# Altium PCB 2-quilter-output.PcbDoc (part 16 of 26)
Units mil, origin at the board's own origin, x right, y up, seen from the top; angles counter-clockwise.
Board outline 4130.55 x 4250 mil, 8 copper layers (L1, Ground L2, L3, Power L4, Ground L5, L6, Ground L7, L8), stack 62.985 mil thick; 591 components, 494 nets, 2245 pads, 1508 vias.
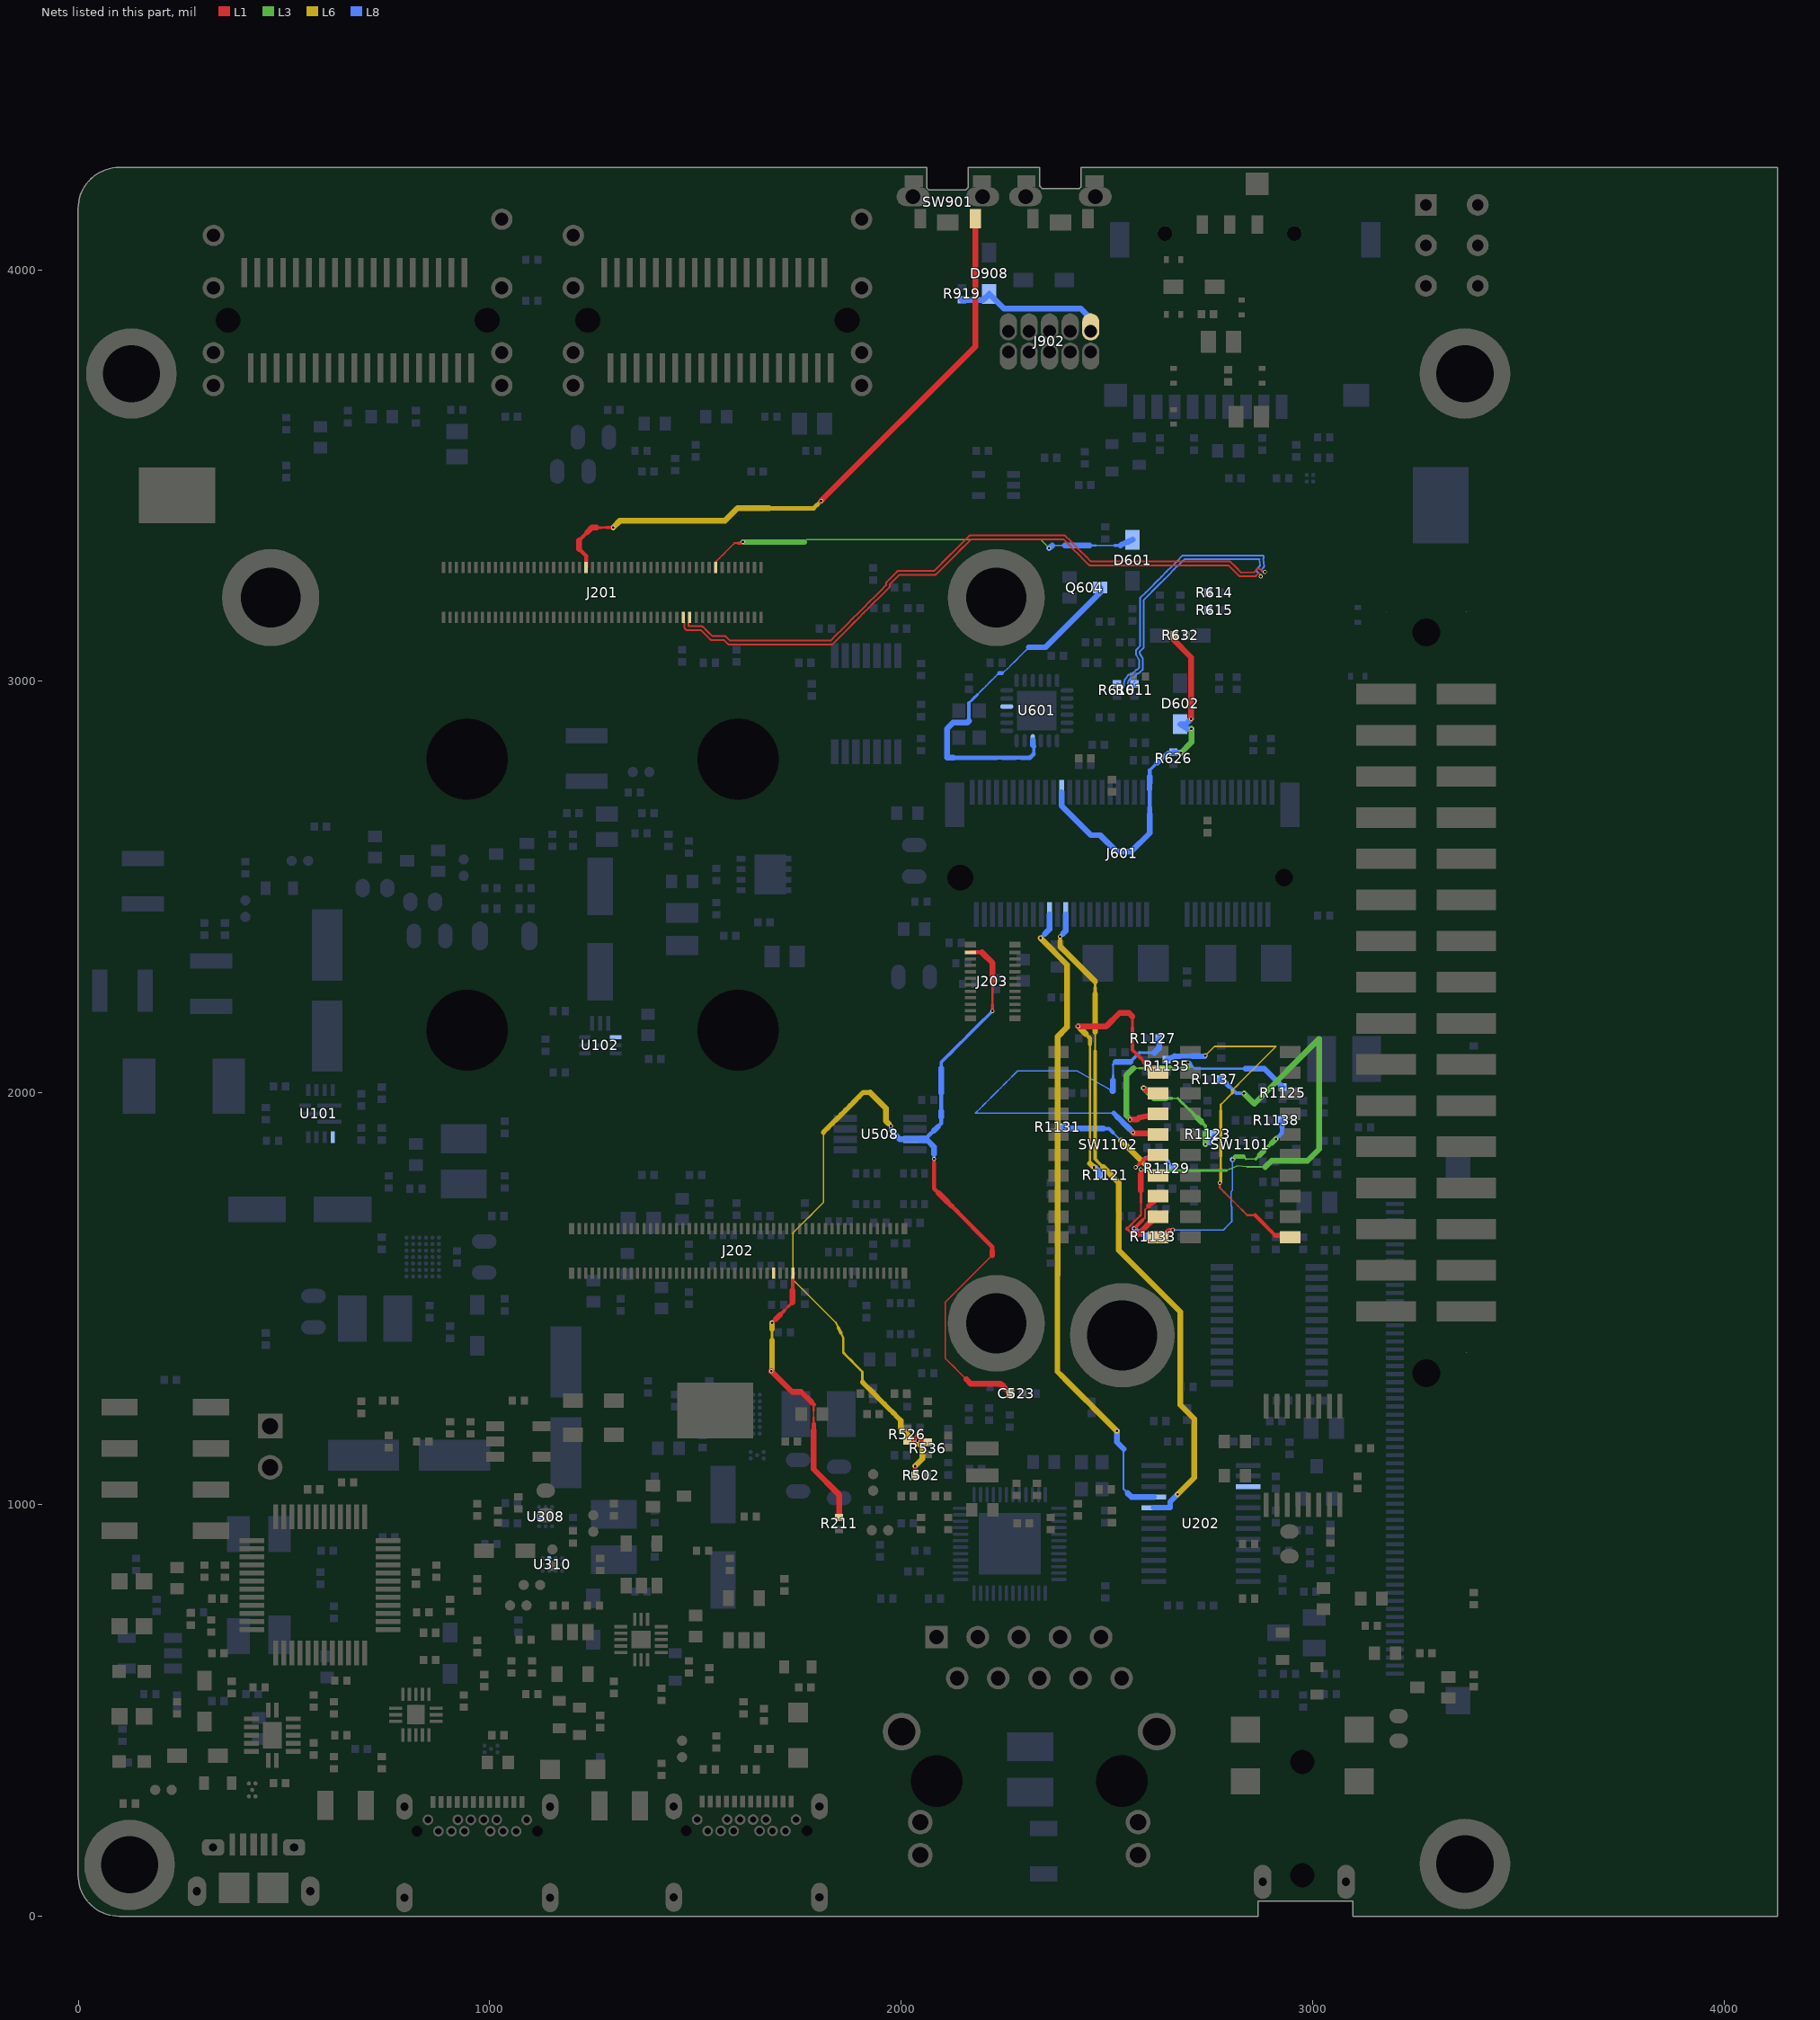
[diagram p22: the nets of this part, all layers, seen from the top]

## Via types
v1: diameter 9.85, hole 5.91, L1 to L8, tented both sides, 1508 vias

## Nets (pads, with @x,y where several pads share a name; then routed paths per layer and width w, separated by ;. In a path a pad name is that pad's centre, name@x,y a point inside that pad or via, vN(x,y) a via of type N, cw(c..) or ccw(c..) an arc to the next point about the centre after c; other vN are vias at no path point) (continued)
NetR1121_1: R1121.1 SW1102.19 | length 697
  L1 w6.9: 2562.47,2117.56 2562.47,2131.11 2562.47,2144.65 ; 2562.47,2158.2 2562.47,2171.75 2562.47,2185.3
  L1 w7.92: 2562.47,2117.56 2562.47,2104.01 2572.52,2093.95 ; 2562.47,2144.65 2562.47,2158.2 ; 2582.58,2083.9 2592.64,2073.84
  L1 w8.94: 2572.52,2093.95 2582.58,2083.9
  L1 w14.05: v1(2430.46,2161.7) 2452.2,2161.7 2498.91,2161.7 2531.06,2193.85 2553.91,2193.85 2562.47,2185.3 ; 2592.64,2073.84 2602.7,2063.78 SW1102.19@2624.63,2048.79
  L6 w5.87: 2459.51,1828.24 2459.51,1843.46 2459.51,1858.68 2459.51,1873.9 2459.51,1889.12 2459.51,1904.34 2459.51,1919.56 2459.51,1934.78 2459.51,1950.01 2459.51,1965.23 2459.51,1980.45 2459.51,1995.67 2459.51,2010.89 2459.51,2026.11 2459.51,2041.33 2459.51,2056.55 2459.51,2071.77 2459.51,2086.99 2459.51,2102.21 2459.51,2117.43
  L6 w9.96: 2449.83,2142.34 2459.51,2132.66 2459.51,2117.43
  L6 w14.05: v1(2430.46,2161.7) 2440.14,2152.02 2449.83,2142.34 ; 2459.51,1828.24 v1(2468.98,1818.76)
  L8 w13.03: v1(2468.98,1818.76) v1@2471.85,1818.76 ; 2477.54,1813.08 R1121.1@2481.45,1800.06
  L8 w14.05: v1@2471.85,1818.76 2477.54,1813.08
NetR1123_1: R1123.1 SW1102.18 | length 306.7
  L1 w8.94: v1(2589.53,2011.68) 2595.98,2005.23
  L1 w14.05: 2595.99,2005.23 2608.53,2005.23 SW1102.18@2624.63,1998.79
  L3 w3.83: 2658.19,1986.72 2672.76,1986.72
  L3 w6.9: 2672.76,1986.72 2682.37,1977.11 2691.99,1967.49 2701.6,1957.88 2711.21,1948.27
  L3 w7.92: 2643.62,1986.72 2658.19,1986.72 ; 2730.44,1929.04 2740.06,1919.42 2740.06,1904.65
  L3 w8.94: 2711.21,1948.27 2720.83,1938.65
  L3 w14.05: v1(2589.53,2011.68) 2614.49,1986.72 2629.06,1986.72 2643.62,1986.72 ; 2720.83,1938.65 2730.44,1929.04 ; v1(2740.06,1875.11) 2740.06,1889.88 2740.06,1904.65
  L8 w5.87: 2750.67,1879.43 2754.26,1887.4 R1123.1@2759.8,1899.67
  L8 w14.05: v1(2740.06,1875.11) 2744.37,1879.43 2750.67,1879.43
NetR1125_1: R1125.1 SW1102.17 | length 605.4
  L1 w14.05: v1(2556.5,1934.83) 2573.6,1934.83 2578.28,1939.51 SW1102.17@2624.63,1948.79
  L3 w3.83: 2564.71,2059.62 2579.5,2059.62 ; 2653.42,2059.62 2668.21,2059.62 2682.99,2059.62
  L3 w4.85: 2579.5,2059.62 2594.28,2059.62
  L3 w7.92: 2697.78,2064.06 v1(2697.78,2073.68)
  L3 w8.94: 2682.99,2059.62 2693.35,2059.62
  L3 w13.03: v1(2556.5,1934.83) v1@2556.5,1936.56
  L3 w14.05: v1@2556.5,1936.56 2547.81,1945.25 2547.81,2042.72 2564.71,2059.62 ; 2594.28,2059.62 2609.07,2059.62 2623.85,2059.62 2638.64,2059.62 2653.42,2059.62 ; 2693.35,2059.62 2697.78,2064.06
  L8 w4.85: 2706.89,2064.58 2713.03,2058.44 2728.5,2058.44 2743.96,2058.44 2759.42,2058.44 2774.88,2058.44 2790.34,2058.44 2805.81,2058.44 2821.27,2058.44 2836.73,2058.44
  L8 w7.92: v1(2697.78,2073.68) v1@2700.74,2070.73
  L8 w8.94: v1@2700.75,2070.73 2706.89,2064.58
  L8 w14.05: 2836.73,2058.44 2852.19,2058.44 2867.66,2058.44 2883.12,2058.44 R1125.1@2927.51,2014.04
NetR1127_1: R1127.1 SW1102.16 | length 1070.1
  L1 w14.05: v1(2563.77,1903.46) 2565.45,1901.78 2599.65,1901.78 SW1102.16@2624.63,1898.79
  L8 w3.5: 2180.88,1950.67 2196.14,1950.67 2211.4,1950.67 2226.66,1950.67 2241.92,1950.67 2257.17,1950.67 2272.43,1950.67 2287.69,1950.67 2302.95,1950.67 2318.2,1950.67 2333.46,1950.67 2348.72,1950.67 2363.98,1950.67 2379.24,1950.67 2394.49,1950.67 2409.75,1950.67 2425.01,1950.67 2440.27,1950.67 2455.52,1950.67 2470.78,1950.67 2486.04,1950.67 2501.3,1950.67 2516.56,1950.67 ; 2180.88,1950.68 2191.15,1960.95 2201.42,1971.22 2211.69,1981.49 2221.97,1991.77 2232.24,2002.04 2242.51,2012.31 2252.78,2022.58 2263.05,2032.85 2273.32,2043.12 2283.59,2053.39 2298.03,2053.39 2312.47,2053.39 2326.91,2053.39 2341.35,2053.39 2355.79,2053.39 2370.23,2053.39 2384.67,2053.39 2399.11,2053.39 2413.55,2053.39 2427.99,2053.39 2441.2,2045.8 2453.25,2038.89 2465.29,2031.97 2477.33,2025.05 2489.37,2018.13 2501.42,2011.21 2513.46,2004.3
  L8 w3.83: 2515.24,2042.91 2515.24,2055.77 2515.24,2068.64
  L8 w5.87: 2515.24,2068.64 2521.89,2075.3
  L8 w6.9: 2515.24,2030.04 2515.24,2042.91 ; 2579.35,2097.32 2591.28,2097.32 2603.22,2097.32 2615.15,2097.32
  L8 w7.92: 2557.33,2075.3 2564.47,2082.45 2571.91,2089.88 2579.35,2097.32
  L8 w12.01: 2516.56,1950.67 2524.96,1942.26
  L8 w14.05: 2513.47,2004.29 2515.24,2004.29 2515.24,2017.17 2515.24,2030.04 ; 2521.89,2075.3 2557.33,2075.3 ; 2524.96,1942.26 2533.37,1933.85 2541.78,1925.45 2550.19,1917.04 v1(2563.77,1903.46) ; 2615.15,2097.32 2627.09,2109.25 R1127.1@2627.09,2132.09
NetR1129_1: R1129.1 SW1102.15 | length 176.8
  L1 w5.87: v1(2570.2,1818.88) 2579.86,1828.54
  L1 w6.9: 2579.86,1828.54 2589.7,1838.38
  L1 w9.96: 2589.7,1838.38 SW1102.15@2601.39,1841.86
  L1 w14.05: SW1102.15@2601.39,1841.86 2613.02,1845.32 SW1102.15@2624.63,1848.79
  L8 w4.85: 2649.24,1833.33 R1129.1@2657.83,1824.73
  L8 w5.87: v1@2570.72,1818.88 2578.4,1826.56 2586.08,1834.24 2593.76,1841.92
  L8 w6.9: R1129.1@2657.83,1824.73 R1129.1@2660.26,1816.66
  L8 w7.92: v1(2570.2,1818.88) v1@2570.72,1818.88
  L8 w8.94: 2593.76,1841.92 2609.39,1841.92 2625.01,1841.92 2640.64,1841.92 2649.24,1833.33
NetR1131_1: R1131.1 SW1102.14 | length 278.6
  L1 w3.5: v1@2596.16,1824.63 SW1102.14@2607.01,1813.78
  L1 w3.83: SW1102.14@2607.01,1813.78 SW1102.14@2615.83,1806.28
  L1 w7.92: v1(2594.09,1824.63) v1@2596.16,1824.63
  L1 w14.05: SW1102.14@2615.83,1806.28 SW1102.14@2624.63,1798.79
  L6 w12.01: 2584.24,1834.47 v1(2594.09,1824.63)
  L6 w14.05: v1(2534.67,1883.71) 2535,1883.71 2544.85,1873.86 2554.7,1864.02 2564.55,1854.17 2574.39,1844.32 2584.24,1834.47
  L8 w3.83: 2515.12,1903.26 2524.89,1893.48 v1(2534.67,1883.71)
  L8 w8.94: 2491.55,1913.03 2505.35,1913.03 2515.12,1903.26
  L8 w14.05: R1131.1@2394.86,1916.26 2403.86,1917.94 2408.78,1913.03 2422.57,1913.03 2436.37,1913.03 2450.16,1913.03 2463.96,1913.03 2477.76,1913.03 2491.55,1913.03
NetR1133_1: R1133.1 SW1102.13 | length 139.8
  L1 w3.83: 2592.8,1696.41 2592.8,1706.15 2592.8,1715.89 2601.74,1724.83
  L1 w4.85: 2586.4,1690.01 2592.8,1696.41
  L1 w7.92: v1(2566.58,1670.2) 2573.29,1676.9 2580,1683.61 2586.4,1690.01
  L1 w13.03: 2601.74,1724.83 2610.68,1733.78
  L1 w14.05: 2610.68,1733.78 2612.14,1733.78 SW1102.13@2624.63,1748.79
  L8 w13.03: v1(2566.58,1670.2) v1@2567.11,1670.2
  L8 w14.05: v1@2567.11,1670.2 2573.03,1664.27 R1133.1@2597.57,1650.65
NetR1135_1: R1135.1 SW1101.11 | length 897.3
  L1 w3.83: 2785.8,1758.24 2796.94,1747.11 2808.08,1735.97 2819.22,1724.83 2830.36,1713.69
  L1 w4.85: v1(2774.66,1781.5) 2774.66,1769.38 2785.8,1758.24 ; 2830.36,1713.69 2841.5,1702.55 2850.94,1702.55 2860.38,1702.55
  L1 w8.94: 2860.38,1702.55 2870.23,1692.7 2880.08,1682.85 2889.93,1673 2899.78,1663.15 2909.62,1653.3
  L1 w12.01: 2909.62,1653.3 2920.63,1653.3
  L1 w14.05: 2920.63,1653.3 SW1101.11@2945.63,1648.79
  L6 w3.5: v1(2739.51,2090.6) 2750.61,2101.7 2761.7,2112.79 2776.69,2112.79 2791.67,2112.79 2806.66,2112.79 2821.64,2112.79 2836.62,2112.79 2851.61,2112.79 2866.59,2112.79 2881.58,2112.79 2896.56,2112.79 2911.55,2112.79 2900.95,2102.18 2890.34,2091.57 2879.74,2080.97 2869.13,2070.36 2858.53,2059.76 2847.93,2049.16 2837.32,2038.55 2826.72,2027.95 2816.11,2017.34 2805.36,2006.59
  L6 w3.83: 2777.03,1971.12 2786.52,1980.61 2796.01,1990.11 2805.36,1999.45
  L6 w5.87: 2777.03,1815.08 2777.03,1830.68 2777.03,1846.28 ; 2777.03,1955.51 2777.03,1971.12
  L6 w6.9: v1@2777.03,1783.87 2777.03,1799.47 ; 2805.36,1999.45 2805.36,2006.59
  L6 w7.92: v1(2774.66,1781.5) v1@2777.03,1783.87 ; 2777.03,1799.47 2777.03,1815.08 ; 2777.03,1846.28 2777.03,1861.89 2777.03,1877.49 2777.03,1893.1 2777.03,1908.7 2777.03,1924.31 2777.03,1939.91 2777.03,1955.51
  L8 w10.99: v1@2737.95,2089.04 v1(2739.51,2090.6)
  L8 w12.01: 2679.27,2089.04 2693.94,2089.04 2708.61,2089.04
  L8 w13.03: 2664.6,2089.04 2679.27,2089.04 ; 2723.28,2089.04 v1@2737.95,2089.04
  L8 w14.05: R1135.1@2645.51,2080.45 2664.6,2089.04 ; 2708.61,2089.04 2723.28,2089.04
NetR1137_1: R1137.1 SW1102.12 | length 1308.1
  L1 w4.85: 2549.57,1669.84 2557.94,1678.2 2566.31,1686.57 2574.67,1694.94 2583.04,1703.31 2583.04,1718.24 2583.04,1733.17
  L1 w5.87: 2549.57,1669.83 2556.42,1662.98 2562.51,1656.89 ; 2583.04,1733.17 2583.04,1748.1 2583.04,1763.03
  L1 w7.92: 2562.51,1656.89 2577.29,1656.89 ; 2583.04,1803.36 v1(2583.04,1813.83)
  L1 w13.03: 2586.08,1665.68 2597.11,1676.71
  L1 w14.05: 2577.29,1656.89 2586.08,1665.68 ; 2583.04,1763.03 2583.04,1777.96 2583.04,1792.89 2583.04,1803.36 ; 2597.11,1676.71 2608.14,1687.74 2619.17,1698.78 SW1102.12@2624.63,1698.79
  L3 w3.5: 2790.97,1811.26 2798.44,1814.4 2805.9,1817.55 2818.41,1822.81 2829.53,1821.51 2840.65,1820.21 2840.97,1819.9 2855.8,1819.9 2870.63,1819.9 2885.46,1819.9
  L3 w5.87: 2600.38,1811.26 2615.15,1811.26 2629.91,1811.26 2644.68,1811.26 2659.45,1811.26 2674.22,1811.26 2688.99,1811.26 2703.76,1811.26 2718.53,1811.26 2733.29,1811.26 2748.06,1811.26 2762.83,1811.26 2777.6,1811.26 2790.97,1811.26
  L3 w6.9: v1(2583.04,1813.83) 2585.61,1811.26 2600.38,1811.26
  L3 w14.05: v1(2833.46,1998.78) 2858.65,1973.59 3016.21,2131.13 3016.22,1862.8 2988.02,1834.6 2900.17,1834.6 2885.46,1819.9
  L8 w7.92: 2823.94,1998.78 v1(2833.46,1998.78)
  L8 w8.94: 2796.64,2016.56 2804.59,2008.61 2814.43,1998.78 2823.94,1998.78
  L8 w12.01: 2788.68,2024.52 2796.64,2016.56
  L8 w14.05: R1137.1@2776.38,2032.48 2780.73,2032.48 2788.68,2024.52
NetR1138_1: R1138.1 SW1102.11 | length 528.7
  L1 w12.01: v1@2657.81,1664.67 v1(2659.96,1666.83)
  L1 w14.05: SW1102.11@2624.63,1648.79 2639.01,1651.65 2652.03,1664.67 v1@2657.81,1664.67
  L3 w3.5: 2838.32,1838.98 2850.23,1838.98 2862.14,1838.98
  L3 w4.85: 2832.44,1844.85 2838.32,1838.98
  L3 w7.92: v1(2805.82,1837.64) 2813.04,1844.85 ; 2862.14,1838.98 2871.93,1848.77 ; 2881.72,1858.56 2891.51,1868.35
  L3 w8.94: 2891.51,1868.35 2901.3,1878.14
  L3 w10.99: 2813.04,1844.85 2822.74,1844.85 2832.44,1844.85
  L3 w13.03: 2871.93,1848.77 2881.72,1858.56
  L3 w14.05: 2901.3,1878.14 2911.09,1887.93 v1(2911.6,1887.93)
  L8 w3.5: v1(2659.96,1666.83) 2675.42,1666.83 2690.89,1666.83 2706.35,1666.83 2721.81,1666.83 2737.27,1666.83 2752.73,1666.83 2768.19,1666.83 2783.65,1666.83 ; 2802.56,1725.17 2802.56,1737.01 2802.56,1748.84 2802.56,1760.68 2805.82,1763.94 2805.82,1778.68 2805.82,1793.42 2805.82,1808.16 2805.82,1822.9 v1(2805.82,1837.64) ; 2802.81,1724.25 2803.71,1723.34 2803.71,1711.19 2803.71,1699.04 2803.71,1686.89
  L8 w3.83: 2783.65,1666.83 2793.68,1676.86 2803.71,1686.89 ; 2802.56,1725.17 2802.81,1724.26
  L8 w7.92: v1(2911.6,1887.93) v1@2911.6,1888.3
  L8 w8.94: v1@2911.6,1888.3 2918.64,1895.35 ; 2925.69,1902.39 2925.69,1917.63
  L8 w9.96: 2918.64,1895.35 2925.69,1902.39
  L8 w13.03: 2925.69,1917.63 R1138.1@2925.68,1932.87
NetTP103_1: U102.7
NetTP105_1: U101.3
NetTP309_1: U308.C3
NetTP310_1: U310.C3
NetTP602_1: U601.4
NRST: D908.C J902.10 R919.2 | length 364.4
  L8 w14.05: R919.2@2147.85,3926.9 2157.83,3926.91 2199.62,3926.91 D908.C@2214.2,3941.47 2249.93,3905.74 2436.83,3905.74 2460.96,3881.61 J902.10@2460.96,3861.16
NVCC_ENET: C523.1 J203.19 R502.2 R526.2 R536.2 U508.3 | length 2870.6
  L1 w3.5: 2158.62,1303.57 2148.4,1313.8 2138.18,1324.02 2127.96,1334.24 2117.74,1344.46 2107.52,1354.68 2107.52,1369.84 2107.52,1385 2107.52,1400.17 2107.52,1415.33 2107.52,1430.49 2107.52,1445.65 2107.52,1460.81 2107.52,1475.98 2107.52,1491.14 2117.89,1501.51 2128.25,1511.87 2138.62,1522.24 2148.99,1532.61 2159.36,1542.98 2169.72,1553.35 2180.09,1563.71 2190.46,1574.08 2200.83,1584.45 2211.19,1594.82 2221.56,1605.18
  L1 w5.87: 2222.08,2214.15 2222.08,2228.67 2222.08,2243.18 2222.08,2257.7
  L1 w6.9: 2222.08,2257.7 2222.08,2272.21
  L1 w7.92: 2034.37,1081.56 v1(2034.37,1092.7) ; 2080.16,1829.6 v1(2080.16,1839.21) ; v1(2222.08,2198.83) 2222.08,2214.15
  L1 w8.94: 2025.16,1157.43 2039.27,1164.19 ; 2080.16,1819.99 2080.16,1829.6
  L1 w9.96: R526.2@2015.16,1154.43 2025.16,1157.43 ; 2080.16,1819.99 2080.16,1806.83 2080.16,1793.66 2080.16,1780.5 2080.16,1767.33 2091,1756.49 ; 2123.52,1723.97 2134.36,1713.13 2145.2,1702.29 2156.04,1691.45 2166.88,1680.6 2177.72,1669.76 2188.57,1658.92 2199.41,1648.08 2210.25,1637.24 2221.09,1626.4 2221.57,1625.92 2221.57,1615.55 ; J203.19@2168.74,2341.14 2182.72,2341.14 2196.69,2341.14
  L1 w12.01: 2112.68,1734.81 2123.52,1723.97
  L1 w13.03: v1(2039.51,1154.71) 2039.27,1154.96 2039.27,1164.19 2047.09,1157.48
  L1 w14.05: R502.2@2033.56,1069.59 2033.56,1075.18 2034.37,1075.99 2034.37,1081.56 ; 2047.09,1157.48 2054.92,1150.77 R536.2@2064.91,1150.76 ; 2091,1756.49 2101.84,1745.65 2112.68,1734.81 ; 2158.62,1303.57 2168.84,1293.35 2241.27,1293.35 C523.1@2265.8,1268.81 ; 2196.69,2341.14 2222.08,2315.75 2222.08,2301.24 2222.08,2286.72 2222.08,2272.21 ; 2221.57,1605.19 2221.57,1615.55
  L6 w3.5: 1811.34,1903.93 1811.34,1888.44 1811.34,1872.95 1811.34,1857.45 1811.34,1841.96 1811.34,1826.47 1811.34,1810.97 1811.34,1795.48 1811.34,1779.99 1811.34,1764.49 1811.34,1749 1811.34,1733.51 1800.75,1722.91 1790.15,1712.31 1779.55,1701.71 1768.96,1691.12 1758.36,1680.52 1747.76,1669.92 1737.17,1659.33 1737.17,1645.14 1737.17,1630.95 1737.17,1616.76 1737.17,1602.57 1737.17,1588.38 1737.17,1574.2 1737.17,1560.01 1737.17,1545.82 1747.62,1535.37 1758.07,1524.92 1768.52,1514.46 1778.97,1504.01 1789.42,1493.56 1799.88,1483.11 1810.33,1472.66 1820.78,1462.21 1831.23,1451.75 1841.68,1441.3
  L6 w4.85: 1841.68,1441.3 1847.62,1429.1 ; 1853.56,1416.89 1859.5,1404.69 1859.5,1392.59 1859.5,1380.49 1859.5,1368.39 ; 2036.8,1147.76 2043.94,1140.63 ; 2043.94,1150.29 2043.94,1140.63 ; 2049.35,1140.63 2043.94,1140.63
  L6 w5.87: 1859.5,1368.39 1868.82,1359.07 1878.14,1349.74 1887.47,1340.42 1896.79,1331.09 1906.11,1321.77 1906.11,1309.28 1906.11,1296.79
  L6 w7.92: 1847.62,1429.1 1853.56,1416.89 ; 1969.36,1925.46 v1(1975.22,1919.59)
  L6 w12.01: 1811.34,1903.93 1822.13,1914.72 1832.91,1925.5 1843.7,1936.29 1854.48,1947.07 1865.26,1957.85 1876.05,1968.64 1886.83,1979.42 1897.62,1990.21 1908.4,2000.99 1916.51,2001.01 1924.61,2001.01 ; 1906.11,1296.79 1916.79,1286.11 1927.47,1275.43 1938.15,1264.76 1948.83,1254.08 1959.51,1243.4 1970.19,1232.72 1980.87,1222.04 1991.55,1211.36 1999.56,1203.35
  L6 w13.03: 2036.62,1148.09 2036.62,1147.94 2036.8,1147.76
  L6 w14.05: 1924.61,2001.01 1963.49,1962.13 1963.49,1931.33 1969.36,1925.46 ; 1999.56,1203.35 1999.56,1185.15 2036.62,1148.09 ; v1(2034.37,1092.7) 2052.06,1110.39 2052.06,1137.92 2049.35,1140.63 ; v1(2039.51,1154.71) 2043.94,1150.29
  L8 w7.92: v1(2080.16,1839.21) 2080.16,1850.92 ; 2097.56,2059.46 2097.56,2074.31 2108.68,2085.43 2119.8,2096.55 2130.91,2107.66 2142.03,2118.78 2153.15,2129.9 2164.26,2141.02 2175.38,2152.13 2186.5,2163.25 2197.62,2174.37 2208.73,2185.49 2215.41,2192.16 v1(2222.08,2198.83)
  L8 w8.94: v1(1975.22,1919.59) 1975.22,1908.17 1985.86,1897.52 ; 2097.56,1955.5 2097.56,1970.35 2097.56,1985.2 2097.56,2000.05
  L8 w9.96: U508.3@2061.6,1889.83 2070.59,1898.82 2079.58,1907.82 ; 2088.57,1916.81 2097.56,1925.8 2097.56,1940.65
  L8 w14.05: 1985.86,1897.52 1996.51,1886.87 U508.3@2033.44,1886.87 ; U508.3@2061.6,1889.83 U508.3@2033.44,1886.87 ; 2079.58,1907.82 2088.57,1916.81 ; 2080.16,1850.92 2080.16,1868.24 2064.83,1883.57 U508.3@2033.44,1886.87 ; 2097.56,1940.65 2097.56,1955.5 ; 2097.56,2000.05 2097.56,2014.91 2097.56,2029.76 2097.56,2044.61 2097.56,2059.46
ONOFF: J201.46 SW901.2 | length 1542.3
  L1 w5.87: 1271.9,3373.53 1283.57,3373.53
  L1 w6.9: 1260.22,3373.53 1271.9,3373.53
  L1 w7.92: 1283.57,3373.53 1291.77,3373.53 v1(1299.97,3373.53)
  L1 w9.96: 1216.92,3321.81 1225.6,3313.14 1234.27,3304.46 1234.27,3290.44 J201.46@1234.26,3276.42 ; 1216.92,3341.91 1227.46,3352.45 1238,3362.99
  L1 w14.05: 1216.92,3321.81 1216.92,3341.91 ; 1238,3362.99 1248.54,3373.53 1260.22,3373.53 ; v1(1805.44,3438.49) 1815.86,3448.91 2180.57,3813.62 SW901.2@2180.57,4124.25
  L6 w8.94: 1796.45,3429.5 v1(1805.44,3438.49)
  L6 w10.99: 1679.46,3420.51 1694.89,3420.51 1710.32,3420.51 1725.75,3420.51 1741.17,3420.51 1756.6,3420.51 1772.03,3420.51 1787.46,3420.51 1796.45,3429.5
  L6 w14.05: v1(1299.97,3373.53) 1317.01,3390.57 1572.39,3390.57 1602.33,3420.51 1617.75,3420.51 1633.18,3420.51 1648.61,3420.51 1664.04,3420.51 1679.46,3420.51
PCIE_CLK_CPU_N: J201.75 R611.2 R615.1 | length 2238.3
  L1 w4.28: J201.75@1470.48,3155.16 1473.73,3141.14 1473.72,3130.46 1473.72,3130.33 1473.73,3130.21 1473.73,3130.09 1473.74,3129.97 1473.76,3129.85 1473.78,3129.73 1473.8,3129.61 1473.82,3129.49 1473.85,3129.37 1473.88,3129.25 1473.91,3129.13 1473.95,3129.02 1473.99,3128.9 1474.03,3128.79 1474.07,3128.67 1474.12,3128.56 1474.17,3128.45 1474.23,3128.34 1474.28,3128.23 1474.34,3128.13 1474.41,3128.02 1474.47,3127.92 1474.54,3127.82 1474.61,3127.72 1474.68,3127.62 1474.76,3127.52 1474.84,3127.43 1474.92,3127.34 1475,3127.25 1475.08,3127.17 1476.6,3125.65 1476.69,3125.56 1476.78,3125.48 1476.87,3125.4 1476.96,3125.32 1477.06,3125.24 1477.16,3125.17 1477.26,3125.1 1477.36,3125.03 1477.46,3124.97 1477.57,3124.91 1477.67,3124.85 1477.78,3124.79 1477.89,3124.74 1478,3124.68 1478.11,3124.64 1478.23,3124.59 1478.34,3124.55 1478.46,3124.51 1478.57,3124.47 1478.69,3124.44 1478.81,3124.41 1478.93,3124.38 1479.05,3124.36 1479.17,3124.34 1479.29,3124.32 1479.41,3124.31 1479.53,3124.3 1479.65,3124.29 1479.78,3124.29 1479.88,3124.28 1496.67,3124.28 1513.46,3124.28 1524.75,3113 1536.03,3101.72 1536.12,3101.63 1536.21,3101.55 1536.3,3101.47 1536.39,3101.39 1536.49,3101.32 1536.59,3101.24 1536.69,3101.17 1536.79,3101.11 1536.89,3101.04 1537,3100.98 1537.1,3100.92 1537.21,3100.86 1537.32,3100.81 1537.43,3100.76 1537.54,3100.71 1537.66,3100.66 1537.77,3100.62 1537.89,3100.58 1538,3100.55 1538.12,3100.51 1538.24,3100.49 1538.36,3100.46 1538.48,3100.43 1538.6,3100.41 1538.72,3100.4 1538.84,3100.38 1538.96,3100.37 1539.08,3100.36 1539.2,3100.36 1539.31,3100.36 1554.35,3100.36 1569.38,3100.36 1578.81,3090.93 1578.9,3090.85 1578.99,3090.76 1579.08,3090.68 1579.17,3090.61 1579.27,3090.53 1579.37,3090.46 1579.47,3090.39 1579.57,3090.32 1579.67,3090.25 1579.78,3090.19 1579.88,3090.13 1579.99,3090.08 1580.1,3090.02 1580.21,3089.97 1580.32,3089.92 1580.44,3089.88 1580.55,3089.84 1580.67,3089.8 1580.78,3089.76 1580.9,3089.73 1581.02,3089.7 1581.14,3089.67 1581.26,3089.65 1581.38,3089.63 1581.5,3089.61 1581.62,3089.6 1581.74,3089.59 1581.86,3089.58 1581.99,3089.57 1582.09,3089.57 1599.86,3089.57 1617.62,3089.57 1635.38,3089.57 1653.15,3089.57 1670.91,3089.57 1688.67,3089.57 1706.44,3089.57 1724.2,3089.57 1741.96,3089.57 1759.73,3089.57 1777.49,3089.57 1795.25,3089.57 1813.02,3089.57 1830.78,3089.57 1830.9,3089.57 1831.02,3089.58 1831.14,3089.59 1831.27,3089.6 1831.39,3089.61 1831.51,3089.63 1831.63,3089.65 1831.75,3089.68 1831.87,3089.7 1831.98,3089.73 1832.1,3089.77 1832.22,3089.8 1832.33,3089.84 1832.45,3089.88 1832.56,3089.93 1832.67,3089.98 1832.78,3090.03 1832.89,3090.08 1833,3090.14 1833.11,3090.2 1833.21,3090.26 1833.31,3090.33 1833.42,3090.4 1833.52,3090.47 1833.61,3090.54 1833.71,3090.62 1833.8,3090.69 1833.89,3090.77 1833.98,3090.86 1834.06,3090.93 1846.56,3103.43 1859.06,3115.94 1871.56,3128.44 1884.07,3140.94 1896.57,3153.44 1909.07,3165.94 1921.57,3178.44 1934.07,3190.94 1946.57,3203.45 1959.07,3215.95 1971.58,3228.45 1971.66,3228.54 1971.74,3228.63 1971.82,3228.72 1971.9,3228.81 1971.98,3228.91 1972.05,3229.01 1972.12,3229.11 1972.19,3229.21 1972.25,3229.31 1972.32,3229.41 1972.38,3229.52 1972.43,3229.63 1972.49,3229.74 1972.54,3229.85 1972.58,3229.96 1972.63,3230.07 1972.67,3230.19 1972.71,3230.3 1972.75,3230.42 1972.78,3230.54 1972.81,3230.66 1972.84,3230.78 1972.86,3230.9 1972.88,3231.02 1972.9,3231.14 1972.91,3231.26 1972.92,3231.38 1972.93,3231.5 1972.93,3231.62 1972.93,3231.73 1972.93,3236.23 1984.24,3247.53 1995.54,3258.84 2012.88,3258.84 2030.21,3258.84 2047.54,3258.84 2064.87,3258.84 2082.2,3258.84 2082.32,3258.84 2082.44,3258.85 2082.56,3258.85 2082.69,3258.86 2082.81,3258.88 2082.93,3258.9 2083.05,3258.92 2083.17,3258.94 2083.29,3258.97 2083.4,3259 2083.52,3259.03 2083.64,3259.07 2083.75,3259.11 2083.87,3259.15 2083.98,3259.2 2084.09,3259.24 2084.2,3259.29 2084.31,3259.35 2084.42,3259.41 2084.53,3259.47 2084.63,3259.53 2084.73,3259.59 2084.84,3259.66 2084.94,3259.73 2085.03,3259.81 2085.13,3259.88 2085.22,3259.96 2085.31,3260.04 2085.4,3260.12 2085.48,3260.2 2097.63,3272.35 2109.78,3284.5 2121.93,3296.64 2134.07,3308.79 2146.22,3320.94 2158.37,3333.09 2170.52,3345.24 2189.18,3345.24 2207.83,3345.24 2226.48,3345.24 2245.14,3345.24 2263.79,3345.24 2282.45,3345.24 2301.1,3345.24 2319.76,3345.24 2338.41,3345.24 2357.07,3345.24 2375.72,3345.24 2394.38,3345.24 2406.76,3332.85 2419.15,3320.46 2431.54,3308.07 2443.93,3295.69 2456.32,3283.3 2456.4,3283.21 2456.49,3283.13 2456.59,3283.05 2456.68,3282.97 2456.78,3282.9 2456.87,3282.82 2456.97,3282.75 2457.07,3282.69 2457.18,3282.62 2457.28,3282.56 2457.39,3282.5 2457.5,3282.44 2457.61,3282.39 2457.72,3282.34 2457.83,3282.29 2457.94,3282.24 2458.06,3282.2 2458.17,3282.16 2458.29,3282.13 2458.41,3282.1 2458.52,3282.07 2458.64,3282.04 2458.76,3282.02 2458.88,3281.99 2459,3281.98 2459.13,3281.96 2459.25,3281.95 2459.37,3281.95 2459.49,3281.94 2459.6,3281.94 2478.28,3281.94 2496.96,3281.94 2515.63,3281.94 2534.31,3281.94 2552.99,3281.94 2571.67,3281.94 2590.35,3281.94 2609.03,3281.94 2627.71,3281.94 2646.39,3281.94 2665.06,3281.94 2683.74,3281.94 2702.42,3281.94 2721.1,3281.94 2739.78,3281.94 2758.46,3281.94 2777.14,3281.94 2795.82,3281.94 2808.49,3269.26 2821.17,3256.59 2821.25,3256.5 2821.34,3256.42 2821.44,3256.34 2821.53,3256.26 2821.62,3256.19 2821.72,3256.11 2821.82,3256.04 2821.92,3255.98 2822.03,3255.91 2822.13,3255.85 2822.24,3255.79 2822.35,3255.73 2822.46,3255.68 2822.57,3255.63 2822.68,3255.58 2822.79,3255.53 2822.91,3255.49 2823.02,3255.45 2823.14,3255.42 2823.26,3255.38 2823.37,3255.35 2823.49,3255.33 2823.61,3255.3 2823.73,3255.28 2823.85,3255.27 2823.98,3255.25 2824.1,3255.24 2824.22,3255.23 2824.34,3255.23 2824.46,3255.23 2842.16,3255.28 2859.87,3255.32 2859.99,3255.32 2860.11,3255.33 2860.23,3255.34 2860.35,3255.35 2860.48,3255.36 2860.6,3255.38 2860.72,3255.4 2860.84,3255.43 2860.95,3255.45 2861.07,3255.48 2861.19,3255.52 2861.31,3255.55 2861.42,3255.59 2861.54,3255.64 2861.65,3255.68 2861.76,3255.73 2861.87,3255.78 2861.98,3255.84 2862.09,3255.89 2862.19,3255.95 2862.3,3256.02 2862.4,3256.08 2862.5,3256.15 2862.6,3256.22 2862.7,3256.3 2862.79,3256.37 2862.89,3256.45 2862.98,3256.53 2863.07,3256.61 2863.16,3256.7 2863.24,3256.79 2863.3,3256.86 2869,3263.19 2876.36,3256.56 v1(2874.49,3254.49)